# Altium PCB CL-HC-M-V2.1.PcbDoc (part 7 of 19)
Units mil, origin at the board's own origin, x right, y up, seen from the top; angles counter-clockwise.
Board outline 27559.06 x 27559.06 mil, 2 copper layers (TopLayer, BottomLayer); 704 components, 528 nets, 2453 pads, 1851 vias.
Unrouted connection lines stored in the file: 126.
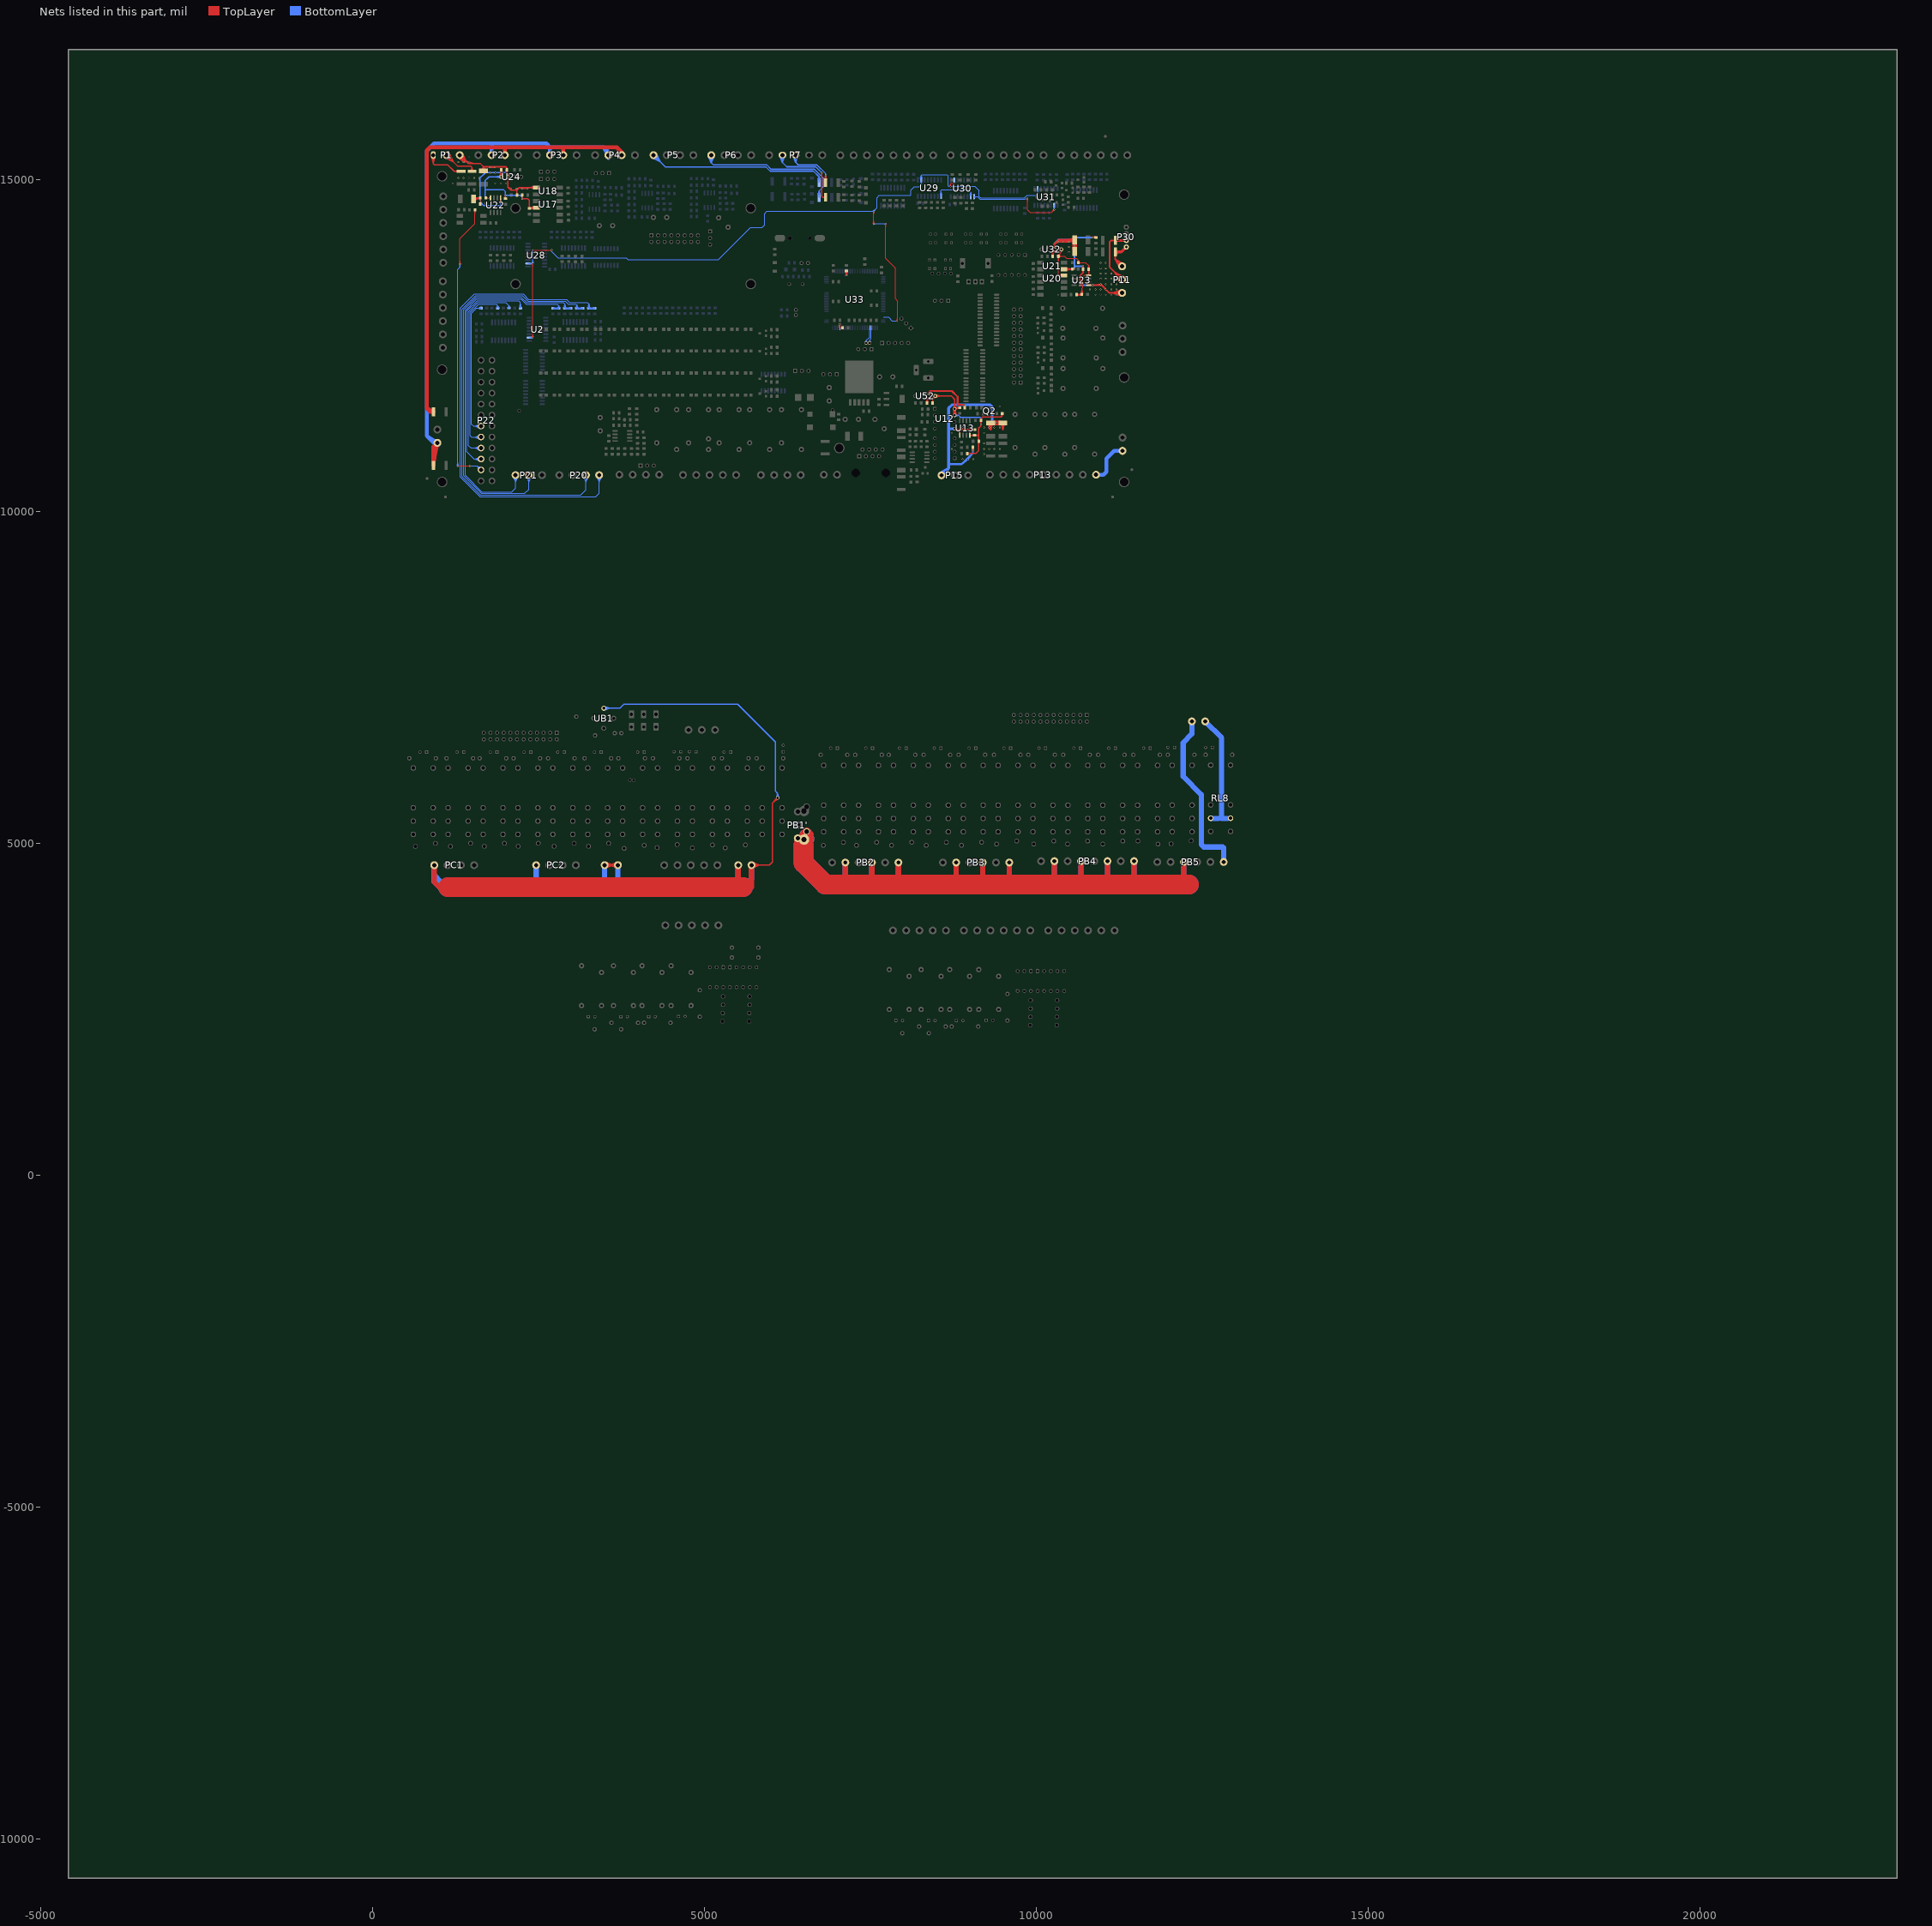
[diagram p7: the nets of this part, all layers, seen from the top]

## Via types
v1: diameter 25, hole 15, TopLayer to BottomLayer, tented both sides, 1813 vias
v2: diameter 20, hole 12, TopLayer to BottomLayer, tented both sides, 24 vias
v3: diameter 25, hole 15, TopLayer to BottomLayer, 13 vias
v4: diameter 40, hole 24, TopLayer to BottomLayer, tented both sides, 1 vias

## Nets (pads, with @x,y where several pads share a name; then routed paths per layer and width w, separated by ;. In a path a pad name is that pad's centre, name@x,y a point inside that pad or via, vN(x,y) a via of type N, cw(c..) or ccw(c..) an arc to the next point about the centre after c; other vN are vias at no path point) (continued)
165S_DO3: U29.9 U30.10 | length 873.6
  BottomLayer w10: U29.9@8557.44,14774.47 8567.38,14818.36 ; U29.9@8567.38,14748.36 8567.38,14838.38 8577.81,14848.81 8973.86,14848.81 9014.38,14808.29 ; U29.9@8567.38,14773.36 8567.38,14818.36 ; U29.9@8577.31,14774.47 8567.38,14818.36 ; U30.10@9004.47,14770.7 9014.38,14808.29 ; U30.10@9014.38,14744.42 9014.38,14808.29 ; U30.10@9014.38,14769.42 9014.38,14808.29 ; U30.10@9024.3,14770.7 9014.38,14808.29
165S_DO4: U30.9 U31.10 | length 2089.7
  TopLayer w10: v1@9860.7,14715.47 9868.18,14673.64 v1@9875.65,14715.47 ; v1(9868.18,14716.14) 9868.18,14544.6 9906.38,14506.39 10229.41,14506.39 v1(10271.03,14548.01) 10237.31,14514.29 ; v1@10265.32,14552.88 10237.31,14514.29 ; v1@10275.9,14542.3 10237.31,14514.29
  BottomLayer w10: U30.9@9065.49,14734.48 9109.38,14744.42 ; U30.9@9065.49,14754.35 9109.38,14744.42 ; v1@9867.22,14708.7 9838.81,14716.14 ; v1@9867.22,14723.57 9838.81,14716.14 ; 9109.38,14744.42 U30.9@9064.38,14744.42 9112.88,14744.42 9151.55,14705.74 9828.42,14705.74 9838.81,14716.14 ; 9838.81,14716.14 v1(9868.18,14716.14) 9838.81,14716.14
  BottomLayer w16: U31.10@10271.61,14608.51 v1(10271.03,14548.01) ; U31.10@10271.61,14613.63 v1@10271.61,14548.59 ; v1(10271.03,14548.01) v1@10271.61,14548.59 ; v1(10271.03,14548.01) 10271.61,14588.63 v1@10271.61,14548.59
220V_N: P13.9 P32.1 pad.0@6501.78,5058.41 pad.2@6104.1,5685.79 PB1'.1 PB1.1 PB2.2 PB2.4 PB2.6 PB3.2 PB3.4 PB3.6 PB4.2 PB4.4 PB4.6 PB4.8 PB5.3 PC1.1 PC2.1 PC3.1 PC3.2 PC5.1 PC5.2 UB1.1 | length 38516.2
  TopLayer w20: PC3.2@3497.55,4672.36 PC3.1@3697.55,4672.36 ; PC3.2@3501.09,4643.52 3616.6,4672.36 ; PC3.2@3501.09,4701.2 3616.6,4672.36 ; PC3.2@3507.65,4624.36 3616.6,4672.36 ; PC3.2@3507.65,4720.37 3616.6,4672.36 ; PC3.1@3687.44,4624.36 3578.49,4672.36 ; PC3.1@3687.44,4720.37 3578.49,4672.36 ; PC3.1@3694,4643.52 3578.49,4672.36 ; PC3.1@3694,4701.2 3578.49,4672.36 ; PC5.1@5709.75,4672.36 5980.28,4672.36 6025.78,4717.87 6025.78,5607.47 pad.2@6104.1,5685.79 6036.67,5618.36 ; PC5.1@5713.3,4643.52 5828.81,4672.36 ; PC5.1@5713.3,4701.2 5828.81,4672.36 ; PC5.1@5719.86,4624.36 5828.81,4672.36 ; PC5.1@5719.86,4720.37 5828.81,4672.36 ; pad.2@6092.69,5695.53 6036.67,5618.36 ; pad.2@6113.84,5674.38 6036.67,5618.36 ; PB1'.1@6391.84,5077.65 6395.21,5077.65 6495.21,4977.65
  TopLayer w80: PC1.1@930.03,4671.3 930.03,4420.01 1010.07,4339.96 1139.38,4339.96 ; 5509.75,4350.84 PC5.2@5509.75,4672.36 ; 5709.75,4339.62 PC5.1@5709.75,4672.36 ; 7124.33,4486.03 PB2.2@7124.33,4711.71 ; 7524.33,4532.78 PB2.4@7524.33,4711.71 ; 7924.33,4473.53 PB2.6@7924.33,4711.71 ; 8794.33,4486.03 PB3.2@8794.33,4711.71 ; 9194.33,4532.78 PB3.4@9194.33,4711.71 ; 9594.33,4473.53 PB3.6@9594.33,4711.71 ; 10274.33,4506.03 PB4.2@10274.33,4731.71 ; 10674.33,4506.03 PB4.4@10674.33,4731.71 ; 11074.33,4493.53 PB4.6@11074.33,4731.71 ; 11474.33,4493.53 PB4.8@11474.33,4731.71 ; 12224.28,4482.92 PB5.3@12224.28,4721.1
  TopLayer w120: 6495.21,4977.65 6495.21,5133.4 6541.44,5179.63 6587.68,5133.4 ; pad.0@6508.1,5071.42 6554.34,5117.65 ; pad.0@6550.19,5025.18 6596.43,5071.42
  TopLayer w300: 1139.38,4339.96 1139.71,4339.62 5584.27,4339.62 ; 6495.21,4977.65 6495.21,4706.24 6821.28,4380.17 12301.06,4380.17
  BottomLayer w20: UB1.1@3484.9,7035.37 3727.09,7035.37 3787.08,7095.36 5502.67,7095.36 6069.64,6528.4 6069.64,5787.58 6104.09,5753.13 ; UB1.1@3488.78,7008.14 3582.4,7035.37 UB1.1@3488.78,7062.59 ; pad.2@6089.19,5687.46 6104.09,5753.13 ; pad.2@6119.01,5687.46 6104.09,5753.13 ; 6104.09,5753.13 pad.2@6104.1,5685.79 6104.09,5753.13
  BottomLayer w60: P13.9@10902.22,10553.66 11011.68,10553.66 11056.38,10598.36 11056.38,10798.36 11172.39,10914.37 ; 11172.39,10914.37 P32.1@11300.57,10914.37 11172.39,10914.37
  BottomLayer w80: PC1.1@925.41,4664.62 925.41,4524.62 ; PC1.1@930.03,4671.3 925.41,4524.62 ; 1050.35,4299.68 925.41,4424.62 925.41,4524.62 ; 1100.41,4409.62 1040.41,4409.62 925.41,4524.62 ; PC2.1@2465.03,4671.3 2466.6,4441.42 PC2.1@2466.6,4663.67 ; 3497.55,4449.57 PC3.2@3497.55,4672.36 ; 3697.55,4462.17 PC3.1@3697.55,4672.36 ; 5509.75,4345.91 PC5.2@5509.75,4672.36 ; 5584.27,4339.62 5709.75,4465.1 PC5.1@5709.75,4672.36 ; 7124.33,4486.03 PB2.2@7124.33,4711.71 ; 7524.33,4532.78 PB2.4@7524.33,4711.71 ; 7924.33,4473.53 PB2.6@7924.33,4711.71 ; 8794.33,4486.03 PB3.2@8794.33,4711.71 ; 9194.33,4532.78 PB3.4@9194.33,4711.71 ; 9594.33,4473.53 PB3.6@9594.33,4711.71 ; 10274.33,4506.03 PB4.2@10274.33,4731.71 ; 10674.33,4506.03 PB4.4@10674.33,4731.71 ; 11074.33,4493.53 PB4.6@11074.33,4731.71 ; 11474.33,4493.53 PB4.8@11474.33,4731.71 ; 12224.28,4482.92 PB5.3@12224.28,4721.1
  BottomLayer w120: pad.0@6495.21,5118.05 6495.21,5139.79 ; 6564.56,5134.78 PB1.1@6564.56,5156.51 ; 6596.43,5055.92 6596.43,5077.65
  BottomLayer w300: 1139.71,4339.62 5584.27,4339.62 ; 6495.21,4977.65 6495.21,4706.24 6821.28,4380.17 12301.06,4380.17
485-A-1: F15.1 P11.1 P30.1 | length 1278.6
  TopLayer w25: F15.1@11192.67,13868.15 11192.67,13797.15 ; F15.1@11192.67,13911.45 11192.67,13797.15 ; P11.1@11257.49,13667.34 11192.67,13797.15 ; P11.1@11278.94,13680.49 11192.67,13797.15 ; P11.1@11309.34,13710.89 11192.67,13797.15 ; P11.1@11322.48,13732.33 11192.67,13797.15 ; 11192.67,13797.15 P11.1@11295.27,13694.56 11192.67,13797.15
  TopLayer w40: F15.1@11212.67,13891.45 F15.1@11192.67,13911.45 11283.16,13911.45 P30.1@11356.69,13984.99
485-A-2: F14.1 P1.1 | length 1077
  TopLayer w20: P1.1@887.52,15345.23 914.75,15251.61 ; P1.1@914.75,15349.11 914.75,15251.61 ; P1.1@914.75,15370.67 914.75,15240.13 931.6,15223.27 1132.72,15223.27 1230.45,15125.54 ; P1.1@941.97,15345.23 914.75,15251.61 ; F14.1@1290.81,15112 1230.45,15125.54 ; F14.1@1290.81,15139.08 1230.45,15125.54 ; F14.1@1292.31,15125.54 1230.45,15125.54 ; F14.1@1335.62,15125.54 1230.45,15125.54
485-B-1: F13.1 P11.2 P30.2 | length 1697.9
  TopLayer w25: F13.1@11193.16,14084.99 11131.09,14084.99 11105.41,14059.31 11105.41,13684.41 P11.2@11295.27,13494.56 11183.18,13606.64 ; P11.2@11257.87,13466.83 11183.18,13606.64 ; P11.2@11279.03,13480.39 11183.18,13606.64 ; P11.2@11309.44,13510.8 11183.18,13606.64 ; P11.2@11323,13531.95 11183.18,13606.64
  TopLayer w40: F13.1@11193.16,14084.99 P30.2@11356.69,14084.99
485-B-2: F12.1 P1.2 | length 1209.1
  TopLayer w20: P1.2@1086.5,15330.56 1216.23,15269.19 ; P1.2@1096.39,15348.15 1216.23,15269.19 ; P1.2@1114.75,15370.67 1279.37,15206.05 1476.69,15206.05 1499.59,15183.15 ; P1.2@1137.27,15389.03 1216.23,15269.19 ; P1.2@1154.85,15398.92 1216.23,15269.19 ; F12.1@1486.06,15127.25 1499.59,15183.15 ; F12.1@1499.59,15125.63 1499.59,15183.15 ; F12.1@1513.11,15127.24 1499.59,15183.15
485-GND1: C51.1 C52.1 D6.A D7.A P15.1 Q2.3 R166.2 R169.1 U12.5 U13.5 U52.3 | length 10681.4
  TopLayer w20: U13.5@8849.03,11148.36 8849.03,11233.8 U13.5@8849.03,11176.36 ; R166.2@8923.65,11563.66 8919.87,11567.44 v1(8919.87,11609.07) R166.2@8923.65,11568.66
  TopLayer w30: C51.1@8355.64,11635.09 8355.64,11679.22 ; C51.1@8355.64,11640.09 8355.64,11679.22 ; 8957.38,11233.8 C52.1@9067.38,11233.8 ; R169.1@9045.76,10963.36 v1(9045.76,10922.25) R169.1@9045.76,10968.36 ; C52.1@9072.38,11233.8 8849.03,11233.8 ; Q2.3@9338.44,11471.14 v1(9338.44,11504.84) Q2.3@9338.44,11472.13 ; D6.A@9347.91,11315.32 v1(9403.6,11334.07) ; D6.A@9348.59,11354.73 v1(9403.6,11334.07) ; D7.A@9478.56,11332.72 9498.46,11234.71 ; D7.A@9518.36,11332.72 9498.46,11234.71 ; 8355.64,11679.22 8377.95,11701.53 ; 8355.64,11679.22 U52.3@8377.95,11724.99 ; 8377.95,11701.53 U52.3@8377.95,11739.99 8377.95,11789.15 ; 8377.95,11701.53 U52.3@8377.95,11724.99 ; 8377.95,11701.53 U52.3@8377.95,11724.99 ; U52.3@8377.95,11754.99 8377.95,11789.15 ; U52.3@8377.95,11754.99 8403.41,11814.6 ; U52.3@8377.95,11754.99 8377.95,11789.15 ; 8377.95,11789.15 8403.41,11814.6 ; 8403.41,11814.6 8728.83,11814.6 8815.13,11728.31 8815.13,11613.68 8819.74,11609.07 ; 8819.74,11609.07 v1(8919.87,11609.07) 8819.74,11609.07 ; 8849.03,11233.8 8786.93,11233.8 U12.5@8772.38,11248.36 8849.03,11233.8 ; v1(9291.13,11265.98) D6.A@9312.92,11335.08 9312.92,11235.08 ; v1(9291.13,11265.98) 9312.92,11235.08 ; v1(9291.13,11265.98) 9332.82,11333.08 9312.92,11235.08 ; v1(9291.13,11265.98) 9312.92,11235.08 ; v1(9291.13,11265.98) 9312.92,11235.08 ; v1(9291.13,11265.98) 9293.02,11333.08 9312.92,11235.08 ; D6.A@9313.28,11334.72 D7.A@9498.46,11334.72 ; D6.A@9313.28,11334.72 v1(9403.6,11334.07) ; D6.A@9313.28,11334.72 v1(9403.6,11334.07) ; D6.A@9341.53,11334.72 D7.A@9464.93,11314.78 ; D6.A@9341.53,11334.72 D7.A@9464.93,11354.65 ; D6.A@9341.53,11334.72 D7.A@9466.53,11334.72 ; D6.A@9341.53,11334.72 v1(9403.6,11334.07) ; D6.A@9341.53,11334.72 v1(9403.6,11334.07) ; D6.A@9341.53,11334.72 v1(9403.6,11334.07) ; D6.A@9344.85,11335.08 D7.A@9469.85,11334.72 ; D6.A@9344.85,11335.08 v1(9403.6,11334.07) ; D6.A@9344.85,11335.08 D7.A@9464.93,11314.78 ; D6.A@9344.85,11335.08 D7.A@9464.93,11354.65 ; D6.A@9344.85,11335.08 D7.A@9466.53,11334.72 ; D6.A@9344.85,11335.08 v1(9403.6,11334.07) ; D6.A@9344.85,11335.08 v1(9403.6,11334.07) ; D6.A@9344.85,11335.08 v1(9403.6,11334.07) ; D6.A@9344.85,11335.08 v1(9403.6,11334.07) ; v1(9403.6,11334.07) D7.A@9469.85,11334.72 ; v1(9403.6,11334.07) 9346.5,11355.01 D7.A@9469.85,11334.72 ; v1(9403.6,11334.07) D7.A@9469.85,11334.72 ; v1(9403.6,11334.07) 9346.39,11315.14 D7.A@9469.85,11334.72 ; v1(9403.6,11334.07) D7.A@9464.93,11314.78 ; v1(9403.6,11334.07) 9349.79,11354.46 D7.A@9464.93,11314.78 ; v1(9403.6,11334.07) D7.A@9464.93,11354.65 ; v1(9403.6,11334.07) 9349.68,11315.67 D7.A@9464.93,11354.65 ; v1(9403.6,11334.07) D7.A@9466.53,11334.72 ; v1(9403.6,11334.07) 9346.55,11355.01 D7.A@9466.53,11334.72 ; v1(9403.6,11334.07) D7.A@9466.53,11334.72 ; v1(9403.6,11334.07) 9346.43,11315.14 D7.A@9466.53,11334.72 ; v1(9403.6,11334.07) D7.A@9464.93,11314.78 ; v1(9403.6,11334.07) 9343.14,11315.15 D7.A@9464.93,11314.78 ; v1(9403.6,11334.07) D7.A@9498.46,11334.72 ; v1(9403.6,11334.07) D7.A@9464.93,11314.78 ; v1(9403.6,11334.07) D7.A@9464.93,11354.65 ; v1(9403.6,11334.07) D7.A@9466.53,11334.72 ; v1(9403.6,11334.07) D7.A@9469.85,11334.72 ; v1(9403.6,11334.07) D7.A@9464.93,11314.78 ; v1(9403.6,11334.07) D7.A@9464.93,11354.65 ; v1(9403.6,11334.07) 9343.26,11355.02 D7.A@9464.93,11354.65 ; v1(9403.6,11334.07) D7.A@9464.93,11354.65 ; v1(9403.6,11334.07) D7.A@9466.53,11334.72 ; 9498.46,11234.71 D7.A@9498.46,11334.72
  BottomLayer w30: 8680.38,10714.48 8877.05,10714.48 9045.76,10883.19 v1(9045.76,10922.25) ; 8881.48,10718.91 v1(8971.13,10785.98) 9038.28,10875.7 ; 9338.44,11346.01 9350.38,11334.07 v1(9403.6,11334.07)
  BottomLayer w40: P15.1@8548.52,10576.56 8680.38,10653.64 ; P15.1@8572.38,10545.64 8680.38,10653.64 ; P15.1@8603.3,10521.78 8680.38,10653.64 ; U12.5@8772.38,11248.36 8681.32,11248.36 8680.38,11247.41 ; 8787.37,11609.07 v1(8919.87,11609.07) ; 9338.44,11346.01 v1(9338.44,11504.84) 9338.44,11575.88 9305.24,11609.07 v1(8919.87,11609.07) ; 8680.38,10653.64 8680.38,10714.48 8680.38,11247.41 ; 8680.38,11247.41 8680.38,11558.64 8730.81,11609.07 v1(8919.87,11609.07)
  other v1: 8891.13,10785.98 9051.13,10785.98 9211.13,10865.98 8731.13,10945.98 9211.13,10945.98 9291.13,10945.98 9371.13,10945.98 9451.13,10945.98 9211.13,11025.98 8731.13,11185.98 9211.13,11185.98 8891.13,11265.98 8971.13,11265.98 9211.13,11265.98 9371.13,11265.98 9451.13,11265.98 9451.13,11585.98
485-VCC-1: C51.2 C52.2 R161.1@8960.76,10872.99 R162.1@8849.03,11563.66 R164.1@9488.75,11476.82 R165.2@9167.38,11373.66 R167.1 U12.7 U12.8 U13.8 U52.4 | length 5406.8
  TopLayer w20: C51.2@8440.64,11635.09 8440.64,11702.68 ; C51.2@8440.64,11640.09 8440.64,11702.68 ; U52.4@8461.39,11751.2 8440.64,11702.68 ; U52.4@8480.17,11720.11 8567.95,11739.99 U52.4@8480.17,11759.87 ; U52.4@8489.16,11723.42 8440.64,11702.68 ; U12.7@8757.4,11447.49 U12.8@8759.95,11532.95 ; U12.7@8757.43,11449.68 8772.38,11533.36 U12.7@8787.32,11449.68 ; U12.8@8757.43,11547.03 8772.38,11463.36 U12.8@8787.32,11547.03 ; U12.8@8757.43,11549.68 8772.38,11633.36 U12.8@8787.32,11549.68 ; U12.7@8757.78,11451.83 U12.8@8784.8,11532.95 ; U12.7@8786.97,11451.83 U12.8@8759.95,11532.95 ; U12.7@8787.35,11447.49 U12.8@8784.8,11532.95 ; R161.1@8960.76,10872.99 9087.46,10872.99 9133.56,10919.09 R167.1@9133.56,11058.15 9133.56,11160.96 ; C52.2@9071.04,11148.8 U13.8@8999.04,11148.36 ; C52.2@9077.38,11148.8 9121.4,11148.8 ; 9133.56,10973.15 R167.1@9133.56,11053.15 ; R167.1@9133.56,11063.15 9133.56,11143.15 ; R165.2@9167.38,11378.66 9194.03,11425.23 ; R164.1@9488.75,11476.82 9488.75,11441.96 ; 8440.64,11702.68 U52.4@8477.95,11739.99 ; 8440.64,11702.68 U52.4@8477.95,11739.99 ; U52.4@8477.95,11739.99 8721.76,11739.99 8772.38,11689.38 U12.8@8772.38,11548.36 ; U12.8@8759.95,11532.95 U12.7@8772.38,11448.36 ; U12.7@8772.38,11448.36 U12.8@8772.38,11548.36 ; U12.7@8772.38,11448.36 U12.8@8784.8,11532.95 ; U12.8@8772.38,11548.36 U12.8@8787.68,11563.66 ; U12.8@8772.38,11548.36 R162.1@8849.03,11563.66 ; U12.8@8772.38,11548.36 R162.1@8844.03,11563.66 ; U12.8@8787.68,11563.66 R162.1@8849.03,11563.66 ; U12.8@8787.68,11563.66 R162.1@8844.03,11563.66 ; R162.1@8844.03,11563.66 8770.86,11563.28 R162.1@8849.03,11563.66 ; R162.1@8844.03,11563.66 8776.71,11534 R162.1@8849.03,11563.66 ; U13.8@8999.04,11148.36 U13.8@8999.48,11148.8 ; U13.8@8999.04,11148.36 9067.38,11148.8 U13.8@8999.48,11148.8 ; U13.8@8999.48,11148.8 C52.2@9072.38,11148.8 9121.4,11148.8 ; 9121.4,11148.8 9133.56,11160.96 ; 9133.56,11160.96 9133.56,11256.21 9167.38,11290.03 ; 9167.38,11290.03 R165.2@9167.38,11373.66 ; 9167.38,11290.03 9167.38,11368.66 v1(9167.56,11313.95) ; 9167.38,11290.03 v1(9167.56,11313.95) ; 9167.38,11290.03 v1(9167.56,11313.95) ; R165.2@9167.38,11373.66 9167.38,11398.57 9194.03,11425.23 ; R165.2@9167.38,11373.66 v1(9167.56,11313.95) ; 9194.03,11425.23 9472.01,11425.23 ; 9472.01,11425.23 9488.75,11441.96 ; 9472.01,11425.23 R164.1@9488.75,11471.82 ; 9488.75,11441.96 R164.1@9488.75,11471.82 ; 9488.75,11441.96 R164.1@9488.75,11471.82
  BottomLayer w20: U12.7@8772.38,11448.36 8830.92,11448.36 ; U12.7@8774.3,11433.48 8830.92,11448.36 ; U12.7@8774.3,11463.23 8830.92,11448.36 ; 9165.59,11386.57 v1(9167.56,11313.95) 9165.59,11313.95 9165.59,11410.13 9157.02,11418.69 8860.58,11418.69 8830.92,11448.36
485_GND_1: C57.1 C59.1 D9.A D11.A P11.3 R181.1 R187.1 U21.3 U23.5 U32.3 | length 11176.3
  TopLayer w25: U21.3@10416.71,13650.26 10416.97,13653.1 R181.1@10546.43,13653.06 R181.1@10546.43,13653.06 ; U21.3@10451.43,13653.1 R181.1@10546.43,13653.06 ; v1@10657.59,13410.1 v1(10660.2,13404.13) 10660.2,13550.11 10705.31,13595.22 ; C57.1@10705.31,13645.26 10705.31,13595.22 ; U23.5@10790.81,13410.1 v1(10852.35,13410.1) ; U23.5@10818.81,13410.1 v1(10852.35,13410.1) ; 10877.21,13410.1 v1(10971.13,13425.98) ; 10985.58,13411.49 v1(11051.13,13345.98) ; P11.3@11287.19,13340.4 11161.21,13294.56 ; P11.3@11293.54,13316.04 11161.21,13294.56 ; P11.3@11295.27,13294.56 11102.36,13294.56 ; R181.1@10540.95,13653.1 10437.32,13667.27 R181.1@10541.03,13653.06 ; R181.1@10540.95,13653.1 10438.24,13633.34 R181.1@10541.03,13653.06 ; R181.1@10540.95,13653.1 10436.39,13650.26 R181.1@10541.03,13653.06 ; R181.1@10546.43,13653.06 v1@10575.86,13653.06 ; R181.1@10546.43,13653.06 v1(10578.78,13654.13) ; R181.1@10546.43,13653.06 v1@10575.86,13653.06 ; R181.1@10546.43,13653.06 v1(10578.78,13654.13) ; R181.1@10546.43,13653.06 v1(10578.78,13654.13) ; R181.1@10546.43,13653.06 v1(10578.78,13654.13) ; v1@10575.86,13653.06 v1(10578.78,13654.13) ; 10705.31,13595.22 C57.1@10705.31,13650.26 ; C57.1@10705.31,13650.26 v1(10705.31,13694.66) ; C57.1@10705.31,13650.26 v1(10705.31,13694.66) ; v1(10705.31,13694.66) 10705.31,13655.26 v1(10705.31,13694.66) ; v1(10852.35,13410.1) 10986.82,13410.1 ; v1(10971.13,13425.98) 11036.56,13360.36 v1(11051.13,13345.98) ; v1(10971.13,13425.98) 10986.82,13410.1 ; v1(10971.13,13425.98) 10986.82,13410.1 ; 10986.82,13410.1 11102.36,13294.56 ; 10986.82,13410.1 v1(11051.13,13345.98) ; v1(11051.13,13345.98) 11102.36,13294.56 ; 11161.21,13294.56 11287.19,13248.71 v1(11211.13,13265.98) ; 11161.21,13294.56 11293.54,13273.07 v1(11211.13,13265.98) ; 11161.21,13294.56 v1(11211.13,13265.98) ; 11161.21,13294.56 v1(11211.13,13265.98)
  TopLayer w30: C59.1@10249.3,13845.31 10249.3,13893.19 ; C59.1@10249.3,13850.31 10249.3,13893.19 ; U32.3@10278.34,13935.07 10249.3,13893.19 ; U32.3@10278.34,13965.07 10278.34,14032.23 ; 10374.58,14091.48 v1(10491.13,14065.98) ; D9.A@10576.4,14111.42 10453,14091.48 ; 10249.3,13893.19 10278.34,13922.24 U32.3@10278.34,13950.07 10278.34,14032.23 ; 10278.34,14032.23 10337.59,14091.48 ; 10278.34,14032.23 v1(10331.13,14065.98) ; v1(10331.13,14065.98) 10448.38,14091.48 v1(10411.13,14065.98) ; v1(10331.13,14065.98) 10337.59,14091.48 ; v1(10331.13,14065.98) 10337.59,14091.48 ; v1(10331.13,14065.98) v1(10411.13,14065.98) ; 10337.59,14091.48 D9.A@10578,14091.48 ; 10337.59,14091.48 v1(10411.13,14065.98) ; v1(10411.13,14065.98) 10527.83,14091.48 v1(10491.13,14065.98) ; v1(10411.13,14065.98) v1(10491.13,14065.98) ; 10453,14091.48 10576.4,14071.55 v1(10491.13,14065.98) ; 10453,14091.48 v1(10491.13,14065.98) ; v1(10491.13,14065.98) D9.A@10578,14091.48 ; D11.A@10558.07,13950.71 D9.A@10578,14074.11 ; D11.A@10558.07,13950.71 10597.27,14054.19 v1(10578.78,14005.63) ; D11.A@10558.07,13950.71 10558.08,14061.37 v1(10578.78,14005.63) ; D11.A@10558.07,13950.71 D9.A@10578,14059.55 ; D11.A@10558.07,13950.71 v1(10578.78,14005.63) ; D11.A@10558.07,13950.71 v1(10578.78,14005.63) ; D11.A@10558.07,13950.71 v1(10578.78,14005.63) ; D11.A@10558.07,13950.71 v1(10578.78,14005.63) ; D11.A@10578,13934.55 10597.94,14057.95 v1(10578.78,14005.63) ; D11.A@10578,13934.55 10558.07,14057.95 v1(10578.78,14005.63) ; D11.A@10578,13934.55 D9.A@10578,14059.55 ; D11.A@10578,13934.55 v1(10578.78,14005.63) ; D11.A@10578,13934.55 v1(10578.78,14005.63) ; D11.A@10578,13934.55 v1(10578.78,14005.63) ; D11.A@10578,13949.11 D9.A@10578,14074.11 ; D11.A@10578,13949.11 10597.92,14057.74 v1(10578.78,14005.63) ; D11.A@10578,13949.11 10558.08,14057.74 v1(10578.78,14005.63) ; D11.A@10578,13949.11 D9.A@10578,14059.55 ; D11.A@10578,13949.11 v1(10578.78,14005.63) ; D11.A@10578,13949.11 v1(10578.78,14005.63) ; D11.A@10578,13949.11 v1(10578.78,14005.63) ; D11.A@10578,13949.11 v1(10578.78,14005.63) ; D9.A@10578,14059.55 D11.A@10597.94,13950.71 ; D9.A@10578,14059.55 v1(10578.78,14005.63) ; D9.A@10578,14059.55 v1(10578.78,14005.63) ; D9.A@10578,14059.55 v1(10578.78,14005.63) ; D9.A@10578,14059.55 v1(10578.78,14005.63) ; D9.A@10578,14074.11 D11.A@10597.94,13950.71 ; D9.A@10578,14074.11 v1(10578.78,14005.63) ; D9.A@10578,14074.11 v1(10578.78,14005.63) ; D9.A@10578,14074.11 v1(10578.78,14005.63) ; D9.A@10578,14091.48 D11.A@10578,13917.18 v1(10578.78,14005.63) ; D9.A@10578,14091.48 v1(10578.78,14005.63) ; v1(10578.78,14005.63) D11.A@10597.94,13950.71 ; v1(10578.78,14005.63) 10597.92,14061.37 D11.A@10597.94,13950.71 ; v1(10578.78,14005.63) D11.A@10597.94,13950.71 ; v1(10578.78,14005.63) D11.A@10597.94,13950.71 ; v1(10578.78,14005.63) 10558.73,14054.19 D11.A@10597.94,13950.71 ; v1(10578.78,14005.63) D11.A@10597.94,13950.71 ; v1(10850.41,14129.31) v1@10852.09,14130.98 ; v1(10850.41,14129.31) R187.1@10900.45,14130.98 v1@10852.09,14130.98 ; v1(10850.41,14129.31) 10895.45,14130.98 v1@10852.09,14130.98
  BottomLayer w25: 10575.41,14094.31 10578.78,14090.94 v1(10578.78,14005.63) 10578.78,13699.97 ; v1(10578.78,13654.13) 10578.78,13699.97 ; v1(10705.31,13694.66) 10584.08,13694.66 10578.78,13699.97 ; 10748.7,13410.1 v1(10660.2,13404.13) 10657.59,13410.1 v1(10852.35,13410.1)
  BottomLayer w30: U32.3@10278.34,13950.07 10278.34,14037.24 ; U32.3@10278.34,13965.07 10278.34,14037.24 ; v1(10850.41,14129.31) 10610.41,14129.31 10575.41,14094.31 10335.41,14094.31 ; 10278.34,14037.24 10335.41,14094.31 ; 10278.34,14037.24 v1(10331.13,14065.98) 10335.41,14094.31